# Altium PCB wikiduino-ap8248.PCBDOC (part 3 of 3) (continued)
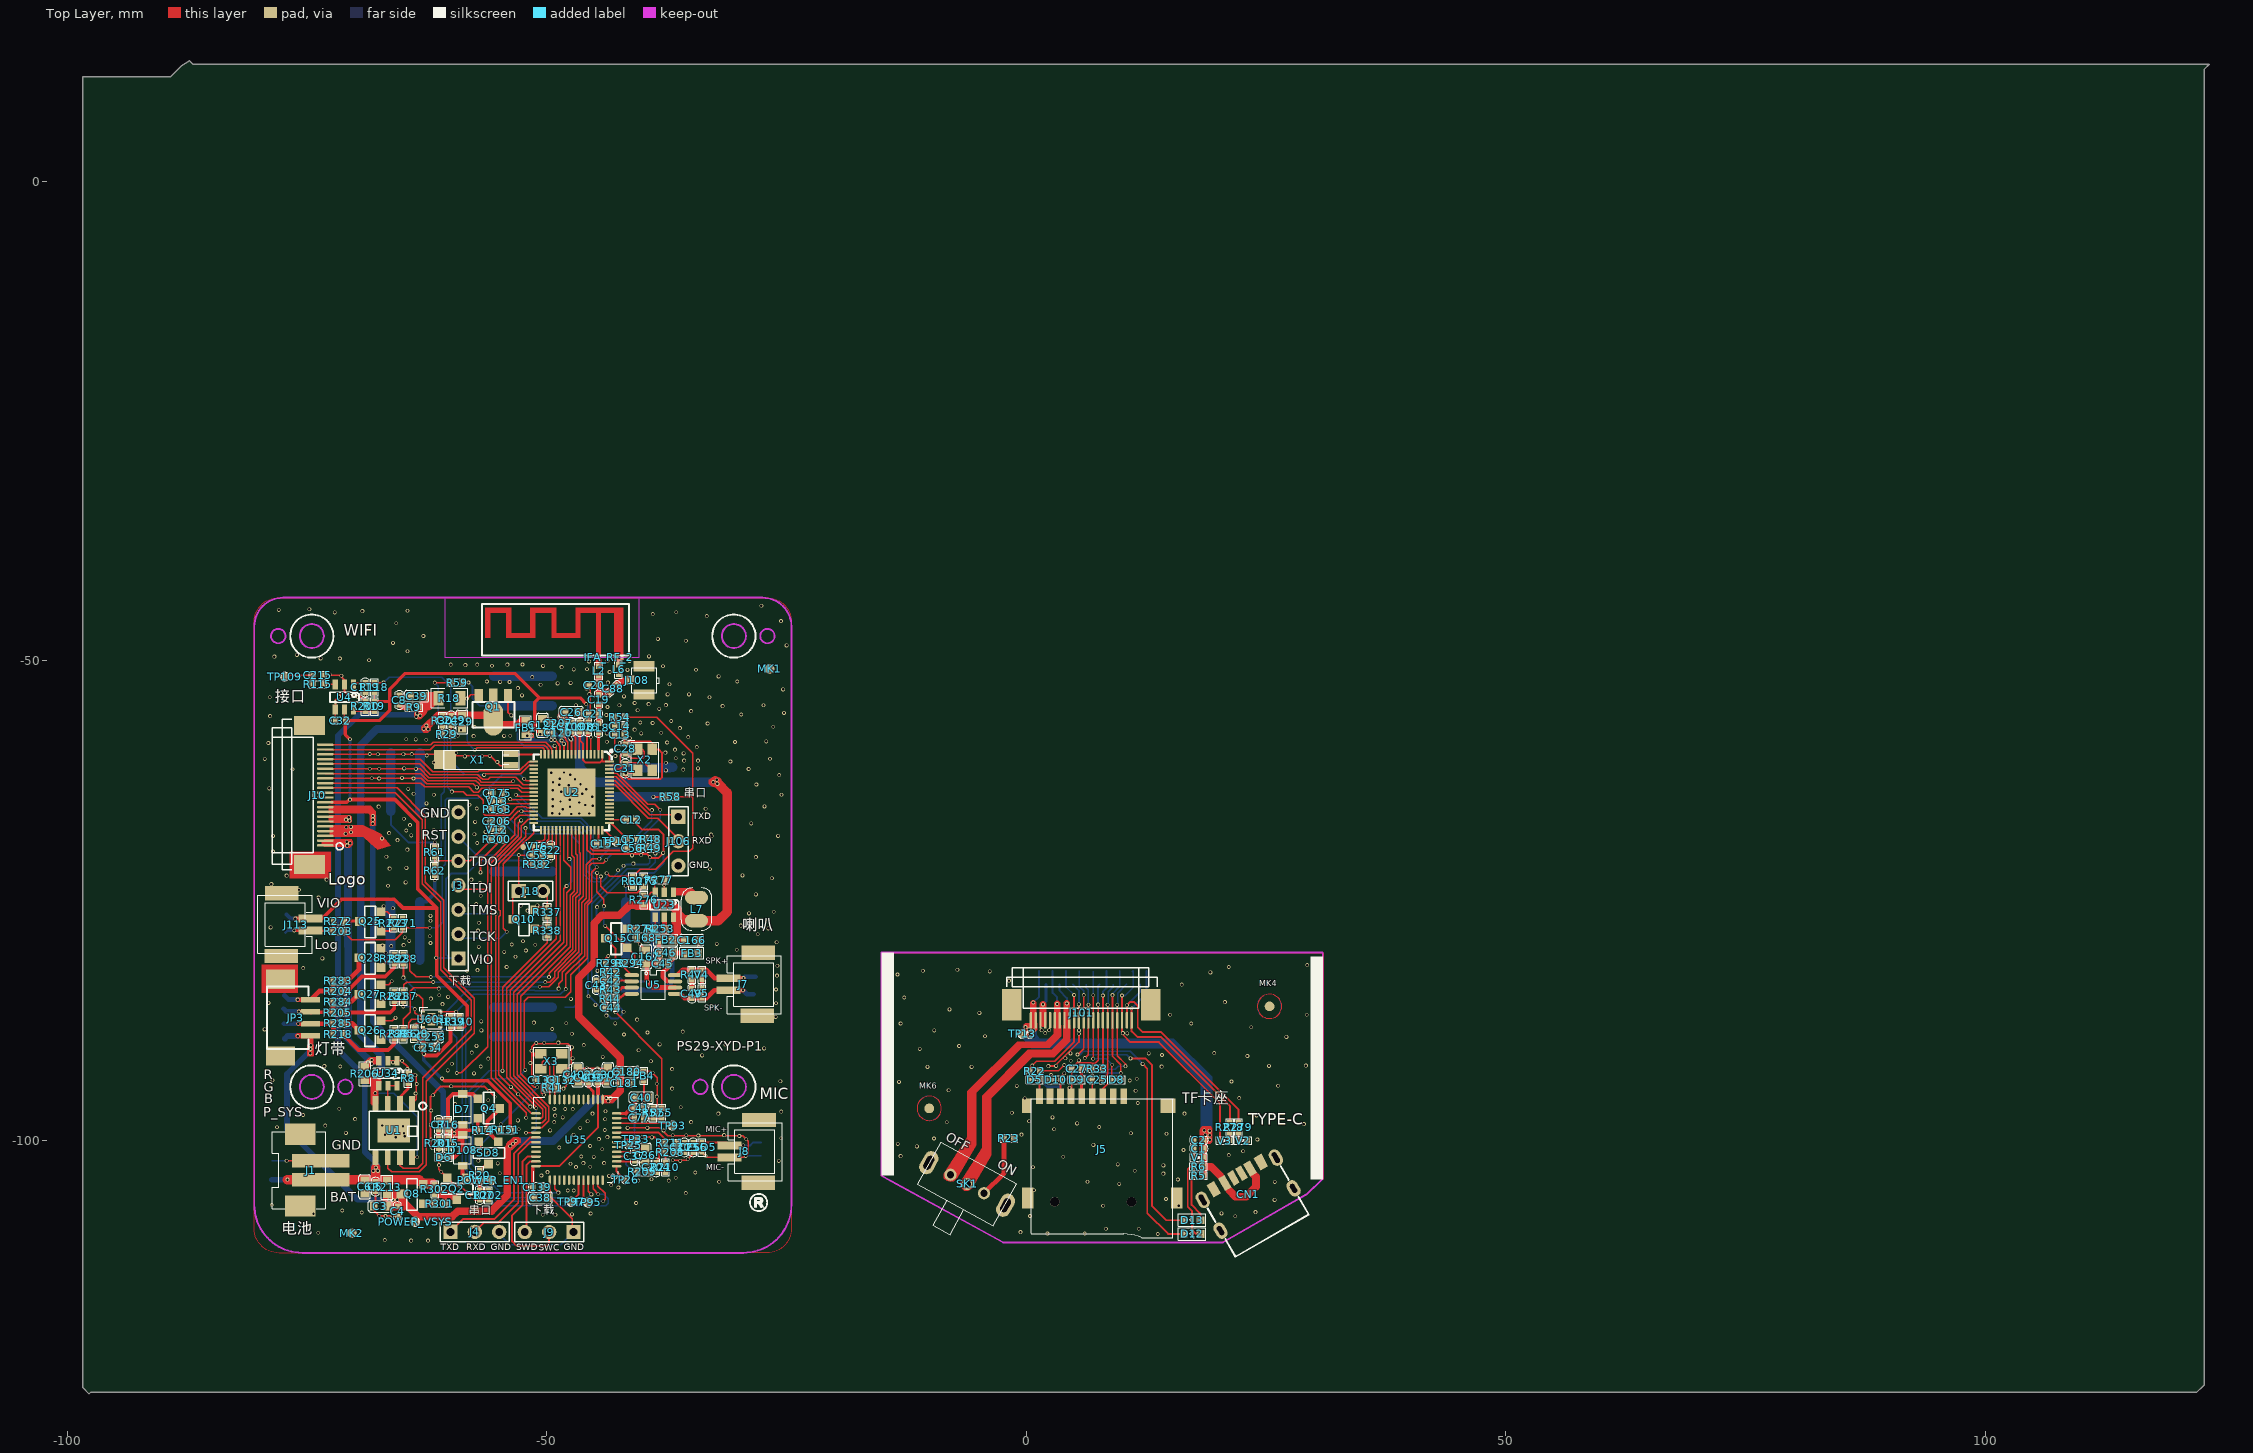
[diagram p0: Top Layer view]
## Nets (pads, with @x,y where several pads share a name; then routed paths per layer and width w, separated by ;. In a path a pad name is that pad's centre, name@x,y a point inside that pad or via, vN(x,y) a via of type N, cw(c..) or ccw(c..) an arc to the next point about the centre after c; other vN are vias at no path point) (continued)
VMID: C36.1 C37.1 U35.4 | length 3
  Top Layer w0.2: U35.4@-42.359,-101.205 -40.835,-101.205 C37.1@-40.725,-101.205 ; C37.1@-40.759,-101.238 C37.1@-40.725,-101.205 ; C36.1@-39.717,-100.861 C36.1@-39.768,-100.861 ; C36.1@-39.717,-100.81 -39.743,-100.835 C36.1@-39.768,-100.861 ; C37.1@-40.725,-101.205 -40.381,-100.861 C36.1@-39.768,-100.861
  Top Layer w0.254: C36.1@-39.819,-100.708 C36.1@-39.768,-100.658
VOICE: C119.1 R118.2 U2.19 U4.1 | length 30.3
  Top Layer w0.15: U4.1@-70.34,-52.289 -70.141,-52.289 C119.1@-68.927,-52.289 R118.2@-67.962,-52.289 -67.155,-52.289 v1@-67.082,-52.362 ; v1@-56.552,-61.942 -56.527,-61.917 -56.407,-61.797 -54.332,-61.797 ; -56.177,-61.797 -54.332,-61.797 ; -53.357,-61.797 -53.282,-61.797 ; U2.19@-51.358,-60.927 -51.836,-60.927 -52.706,-61.797 -53.282,-61.797 ; -54.332,-61.797 -53.282,-61.797
  Bottom Layer w0.15: v1(-67.002,-52.282) -66.442,-51.722 -60.952,-51.722 -60.002,-52.672 -60.002,-60.442 -58.532,-61.912 v1(-56.532,-61.912)
VRAM: U2.35
VSENSE: Q1.3 R18.2 U2.16 | length 15
  Top Layer w0.15: v1(-58.31,-53.961) -57.929,-53.58 Q1.3@-57.095,-53.58 ; v1(-57.497,-59.346) -57.254,-59.102 -50.405,-59.102 -50.247,-59.26 -50.247,-59.738 U2.16@-50.208,-59.777
  Bottom Layer w0.15: v1(-58.31,-53.961) -58.31,-58.533 v1(-57.497,-59.346)
XIN: C28.2 U2.67 X2.1 | length 6.2
  Top Layer w0.15: U2.67@-43.459,-60.928 -42.488,-60.928 -42.352,-60.792 -42.352,-59.932 -42.127,-59.706 C28.2@-41.82,-59.706 -41.688,-59.706 -41.202,-60.192 -40.012,-60.192 -39.822,-60.002 -39.822,-59.492 -40.058,-59.256 X2.1@-40.532,-59.256
XOUT: C31.2 U2.66 X2.3 | length 5.1
  Top Layer w0.15: U2.66@-43.459,-61.328 -42.41,-61.328 C31.2@-41.82,-60.738 -41.714,-60.631 -39.807,-60.631 X2.3@-38.982,-61.456
XTAL32K: U2.17 X1.2 | length 3
  Top Layer w0.2: X1.2@-53.509,-59.955 -53.499,-59.945 -53.332,-59.777 U2.17@-50.608,-59.777
XTAL_IN: C132.2 R41.2 U35.23 X3.1 | length 5
  Top Layer w0.15: U35.23@-49.168,-95.756 -49.168,-94.55 C132.2@-49.168,-93.951 ; C132.2@-48.955,-93.738 -49.247,-93.446 -49.247,-91.806 X3.1@-48.422,-90.981
XTAL_OUT: C133.2 R41.1 U35.24 X3.3 | length 6.1
  Top Layer w0.15: X3.3@-50.622,-92.531 -50.452,-92.362 -50.452,-91.862 -50.332,-91.742 -49.902,-91.742 -49.672,-91.972 -49.672,-93.738 -49.672,-94.052 ; R41.1@-49.92,-94.55 -49.672,-94.303 -49.672,-94.052 ; U35.24@-49.668,-95.756 -49.668,-94.55 -49.668,-94.056 -49.672,-94.052
pads on no net: J5.1 J5.2 J5.8 J5.14 J5.15 J10.25 J10.26 J101.25 J101.26 JP3.0 MK1. MK2. MK3. MK4. MK5. MK6. MK7. U2.3 U2.49 U2.54 U2.55 U2.61 U35.7 U35.17 U35.18 U35.19 U35.32 U35.33 U35.48 U601.6 U601.7 U601.8
copper on no net:
  other v1: -26.092,-85.722

## Polygon pours and split planes (outlines as drawn)
GND1 on Bottom Layer "GND" (hatched 90Degree grid 0.1 track 0.15, remove dead copper, shelved, pour order 8): -15.1,-103.68 -15.06,-103.64 -15.06,-80.451 30.891,-80.451 30.92,-80.48 30.95,-80.51 30.95,-104.05 30.835,-104.05 29.259,-105.626 20.49,-110.651 -2.43,-110.67 -15.1,-103.68
GND on Bottom Layer "GND" (hatched 90Degree grid 0.1 track 0.15, remove dead copper, shelved, pour order 7): -75.502,-111.712 -75.502,-111.762 -77.95,-111.762 cw(c-77.95,-109.222) -80.49,-109.222 -80.49,-106.382 -80.49,-45.962 cw(c-77.95,-45.962) -77.95,-43.422 -77.452,-43.422 -27.042,-43.422 cw(c-27.042,-45.962) -24.502,-45.962 -24.502,-46.842 -24.502,-109.2 cw(c-27.042,-109.2) -27.042,-111.74 -30.102,-111.74 -75.491,-111.74 ccw(c-75.491,-111.762) -75.512,-111.762
GND1 on Top Layer "GND" (hatched 90Degree grid 0.1 track 0.15, remove dead copper, shelved, pour order 6): -15.1,-103.68 -15.06,-103.64 -15.06,-80.451 30.891,-80.451 30.92,-80.48 30.95,-80.51 30.95,-104.05 30.835,-104.05 29.259,-105.626 20.49,-110.651 -2.43,-110.67 -15.1,-103.68
GND on Top Layer "GND" (hatched 90Degree grid 0.1 track 0.15, remove dead copper, shelved, pour order 5): -75.502,-111.712 -75.502,-111.762 -77.95,-111.762 cw(c-77.95,-109.222) -80.49,-109.222 -80.49,-106.382 -80.49,-45.962 cw(c-77.95,-45.962) -77.95,-43.422 -77.452,-43.422 -27.042,-43.422 cw(c-27.042,-45.962) -24.502,-45.962 -24.502,-46.842 -24.502,-109.2 cw(c-27.042,-109.2) -27.042,-111.74 -30.102,-111.74 -75.491,-111.74 ccw(c-75.491,-111.762) -75.512,-111.762
no net on Internal Plane 1 (split plane): -85.054,-127.757 -97.054,-115.757 -97.054,-66.757 -85.054,-54.757 -56.054,-54.757 -56.054,-57.757 -46.054,-57.757 -46.054,-54.757 -37.054,-54.757 -37.054,-59.257 -29.054,-59.257 -27.054,-60.757 -27.054,-75.757 -29.054,-77.257 -41.254,-77.257 -41.254,-113.007 -27.054,-113.007 -27.054,-122.157 -31.754,-124.557 -31.754,-126.757 -49.354,-126.757 -49.354,-124.757 -56.054,-124.757 -56.054,-127.757
no net on Internal Plane 2 (split plane): -85.054,-127.757 -97.054,-115.757 -97.054,-66.757 -85.054,-54.757 -56.054,-54.757 -56.054,-57.757 -46.054,-57.757 -46.054,-54.757 -37.054,-54.757 -37.054,-59.257 -29.054,-59.257 -27.054,-60.757 -27.054,-75.757 -29.054,-77.257 -41.254,-77.257 -41.254,-113.007 -27.054,-113.007 -27.054,-122.157 -31.754,-124.557 -31.754,-126.757 -49.354,-126.757 -49.354,-124.757 -56.054,-124.757 -56.054,-127.757
no net on Internal Plane 3 (split plane): -85.054,-127.757 -97.054,-115.757 -97.054,-66.757 -85.054,-54.757 -56.054,-54.757 -56.054,-57.757 -46.054,-57.757 -46.054,-54.757 -37.054,-54.757 -37.054,-59.257 -29.054,-59.257 -27.054,-60.757 -27.054,-75.757 -29.054,-77.257 -41.254,-77.257 -41.254,-113.007 -27.054,-113.007 -27.054,-122.157 -31.754,-124.557 -31.754,-126.757 -49.354,-126.757 -49.354,-124.757 -56.054,-124.757 -56.054,-127.757
no net on Internal Plane 4 (split plane): -85.054,-127.757 -97.054,-115.757 -97.054,-66.757 -85.054,-54.757 -56.054,-54.757 -56.054,-57.757 -46.054,-57.757 -46.054,-54.757 -37.054,-54.757 -37.054,-59.257 -29.054,-59.257 -27.054,-60.757 -27.054,-75.757 -29.054,-77.257 -41.254,-77.257 -41.254,-113.007 -27.054,-113.007 -27.054,-122.157 -31.754,-124.557 -31.754,-126.757 -49.354,-126.757 -49.354,-124.757 -56.054,-124.757 -56.054,-127.757
no net on Internal Plane 5 (split plane): -85.054,-127.757 -97.054,-115.757 -97.054,-66.757 -85.054,-54.757 -56.054,-54.757 -56.054,-57.757 -46.054,-57.757 -46.054,-54.757 -37.054,-54.757 -37.054,-59.257 -29.054,-59.257 -27.054,-60.757 -27.054,-75.757 -29.054,-77.257 -41.254,-77.257 -41.254,-113.007 -27.054,-113.007 -27.054,-122.157 -31.754,-124.557 -31.754,-126.757 -49.354,-126.757 -49.354,-124.757 -56.054,-124.757 -56.054,-127.757
no net on Internal Plane 6 (split plane): -85.054,-127.757 -97.054,-115.757 -97.054,-66.757 -85.054,-54.757 -56.054,-54.757 -56.054,-57.757 -46.054,-57.757 -46.054,-54.757 -37.054,-54.757 -37.054,-59.257 -29.054,-59.257 -27.054,-60.757 -27.054,-75.757 -29.054,-77.257 -41.254,-77.257 -41.254,-113.007 -27.054,-113.007 -27.054,-122.157 -31.754,-124.557 -31.754,-126.757 -49.354,-126.757 -49.354,-124.757 -56.054,-124.757 -56.054,-127.757
no net on Internal Plane 7 (split plane): -85.054,-127.757 -97.054,-115.757 -97.054,-66.757 -85.054,-54.757 -56.054,-54.757 -56.054,-57.757 -46.054,-57.757 -46.054,-54.757 -37.054,-54.757 -37.054,-59.257 -29.054,-59.257 -27.054,-60.757 -27.054,-75.757 -29.054,-77.257 -41.254,-77.257 -41.254,-113.007 -27.054,-113.007 -27.054,-122.157 -31.754,-124.557 -31.754,-126.757 -49.354,-126.757 -49.354,-124.757 -56.054,-124.757 -56.054,-127.757
no net on Internal Plane 8 (split plane): -85.054,-127.757 -97.054,-115.757 -97.054,-66.757 -85.054,-54.757 -56.054,-54.757 -56.054,-57.757 -46.054,-57.757 -46.054,-54.757 -37.054,-54.757 -37.054,-59.257 -29.054,-59.257 -27.054,-60.757 -27.054,-75.757 -29.054,-77.257 -41.254,-77.257 -41.254,-113.007 -27.054,-113.007 -27.054,-122.157 -31.754,-124.557 -31.754,-126.757 -49.354,-126.757 -49.354,-124.757 -56.054,-124.757 -56.054,-127.757
no net on Internal Plane 9 (split plane): -85.054,-127.757 -97.054,-115.757 -97.054,-66.757 -85.054,-54.757 -56.054,-54.757 -56.054,-57.757 -46.054,-57.757 -46.054,-54.757 -37.054,-54.757 -37.054,-59.257 -29.054,-59.257 -27.054,-60.757 -27.054,-75.757 -29.054,-77.257 -41.254,-77.257 -41.254,-113.007 -27.054,-113.007 -27.054,-122.157 -31.754,-124.557 -31.754,-126.757 -49.354,-126.757 -49.354,-124.757 -56.054,-124.757 -56.054,-127.757
no net on Internal Plane 10 (split plane): -85.054,-127.757 -97.054,-115.757 -97.054,-66.757 -85.054,-54.757 -56.054,-54.757 -56.054,-57.757 -46.054,-57.757 -46.054,-54.757 -37.054,-54.757 -37.054,-59.257 -29.054,-59.257 -27.054,-60.757 -27.054,-75.757 -29.054,-77.257 -41.254,-77.257 -41.254,-113.007 -27.054,-113.007 -27.054,-122.157 -31.754,-124.557 -31.754,-126.757 -49.354,-126.757 -49.354,-124.757 -56.054,-124.757 -56.054,-127.757
no net on Internal Plane 11 (split plane): -85.054,-127.757 -97.054,-115.757 -97.054,-66.757 -85.054,-54.757 -56.054,-54.757 -56.054,-57.757 -46.054,-57.757 -46.054,-54.757 -37.054,-54.757 -37.054,-59.257 -29.054,-59.257 -27.054,-60.757 -27.054,-75.757 -29.054,-77.257 -41.254,-77.257 -41.254,-113.007 -27.054,-113.007 -27.054,-122.157 -31.754,-124.557 -31.754,-126.757 -49.354,-126.757 -49.354,-124.757 -56.054,-124.757 -56.054,-127.757
no net on Internal Plane 12 (split plane): -85.054,-127.757 -97.054,-115.757 -97.054,-66.757 -85.054,-54.757 -56.054,-54.757 -56.054,-57.757 -46.054,-57.757 -46.054,-54.757 -37.054,-54.757 -37.054,-59.257 -29.054,-59.257 -27.054,-60.757 -27.054,-75.757 -29.054,-77.257 -41.254,-77.257 -41.254,-113.007 -27.054,-113.007 -27.054,-122.157 -31.754,-124.557 -31.754,-126.757 -49.354,-126.757 -49.354,-124.757 -56.054,-124.757 -56.054,-127.757
no net on Internal Plane 13 (split plane): -85.054,-127.757 -97.054,-115.757 -97.054,-66.757 -85.054,-54.757 -56.054,-54.757 -56.054,-57.757 -46.054,-57.757 -46.054,-54.757 -37.054,-54.757 -37.054,-59.257 -29.054,-59.257 -27.054,-60.757 -27.054,-75.757 -29.054,-77.257 -41.254,-77.257 -41.254,-113.007 -27.054,-113.007 -27.054,-122.157 -31.754,-124.557 -31.754,-126.757 -49.354,-126.757 -49.354,-124.757 -56.054,-124.757 -56.054,-127.757
no net on Internal Plane 14 (split plane): -85.054,-127.757 -97.054,-115.757 -97.054,-66.757 -85.054,-54.757 -56.054,-54.757 -56.054,-57.757 -46.054,-57.757 -46.054,-54.757 -37.054,-54.757 -37.054,-59.257 -29.054,-59.257 -27.054,-60.757 -27.054,-75.757 -29.054,-77.257 -41.254,-77.257 -41.254,-113.007 -27.054,-113.007 -27.054,-122.157 -31.754,-124.557 -31.754,-126.757 -49.354,-126.757 -49.354,-124.757 -56.054,-124.757 -56.054,-127.757
no net on Internal Plane 15 (split plane): -85.054,-127.757 -97.054,-115.757 -97.054,-66.757 -85.054,-54.757 -56.054,-54.757 -56.054,-57.757 -46.054,-57.757 -46.054,-54.757 -37.054,-54.757 -37.054,-59.257 -29.054,-59.257 -27.054,-60.757 -27.054,-75.757 -29.054,-77.257 -41.254,-77.257 -41.254,-113.007 -27.054,-113.007 -27.054,-122.157 -31.754,-124.557 -31.754,-126.757 -49.354,-126.757 -49.354,-124.757 -56.054,-124.757 -56.054,-127.757
no net on Internal Plane 16 (split plane): -85.054,-127.757 -97.054,-115.757 -97.054,-66.757 -85.054,-54.757 -56.054,-54.757 -56.054,-57.757 -46.054,-57.757 -46.054,-54.757 -37.054,-54.757 -37.054,-59.257 -29.054,-59.257 -27.054,-60.757 -27.054,-75.757 -29.054,-77.257 -41.254,-77.257 -41.254,-113.007 -27.054,-113.007 -27.054,-122.157 -31.754,-124.557 -31.754,-126.757 -49.354,-126.757 -49.354,-124.757 -56.054,-124.757 -56.054,-127.757

## Keep-outs
Keep-Out Layer:
  lines w0.2: 1.402,-110.65 -2.438,-110.65 -14.098,-104.246 -15.098,-103.697 -15.098,-80.45 -14.098,-80.45 29.902,-80.45 30.902,-80.45 30.902,-104.036 29.902,-105.004 ; 12.4,-110.651 20.508,-110.651 20.777,-110.495 ; 12.402,-110.65 20.51,-110.65 20.779,-110.495 ; 12.424,-110.651 -2.441,-110.651 -14.1,-104.247 -15.1,-103.697 -15.1,-80.451 -14.1,-80.451 29.9,-80.451 30.9,-80.451 30.9,-104.037 29.259,-105.626 ; 20.784,-110.488 28.531,-106.026 ; 28.524,-106.034 29.189,-105.651 ; 28.526,-106.033 29.191,-105.65 ; -80.49,-106.74 ccw(c-75.49,-106.74) -75.49,-111.74 ; -80.49,-106.74 ccw(c-75.49,-106.74) -75.49,-111.74 ; -80.49,-106.74 -80.49,-46.44 ; -80.49,-106.74 -80.49,-46.44 ; -80.49,-46.44 cw(c-77.49,-46.44) -77.49,-43.44 ; -80.49,-46.44 cw(c-77.49,-46.44) -77.49,-43.44 ; -78.74,-47.44 ccw(c-77.99,-47.44) -77.24,-47.44 ; -78.74,-47.44 cw(c-77.99,-47.44) -77.24,-47.44 ; -78.74,-47.44 ccw(c-77.99,-47.44) -77.24,-47.44 ; -78.74,-47.44 cw(c-77.99,-47.44) -77.24,-47.44 ; -77.49,-43.44 -27.49,-43.44 ; -77.49,-43.44 -27.49,-43.44 ; -75.74,-94.44 ccw(c-74.49,-94.44) -73.24,-94.44 ; -75.74,-94.44 cw(c-74.49,-94.44) -73.24,-94.44 ; -75.74,-94.44 ccw(c-74.49,-94.44) -73.24,-94.44 ; -75.74,-94.44 cw(c-74.49,-94.44) -73.24,-94.44 ; -75.74,-94.44 ccw(c-74.49,-94.44) -73.24,-94.44 ; -75.74,-94.44 cw(c-74.49,-94.44) -73.24,-94.44 ; -75.74,-94.44 ccw(c-74.49,-94.44) -73.24,-94.44 ; -75.74,-94.44 cw(c-74.49,-94.44) -73.24,-94.44 ; -75.74,-47.44 ccw(c-74.49,-47.44) -73.24,-47.44 ; -75.74,-47.44 cw(c-74.49,-47.44) -73.24,-47.44 ; -75.74,-47.44 ccw(c-74.49,-47.44) -73.24,-47.44 ; -75.74,-47.44 cw(c-74.49,-47.44) -73.24,-47.44 ; -75.74,-47.44 ccw(c-74.49,-47.44) -73.24,-47.44 ; -75.74,-47.44 cw(c-74.49,-47.44) -73.24,-47.44 ; -75.74,-47.44 ccw(c-74.49,-47.44) -73.24,-47.44 ; -75.74,-47.44 cw(c-74.49,-47.44) -73.24,-47.44 ; -75.49,-111.74 -29.49,-111.74 ; -75.49,-111.74 -29.49,-111.74 ; -71.74,-94.44 ccw(c-70.99,-94.44) -70.24,-94.44 ; -71.74,-94.44 cw(c-70.99,-94.44) -70.24,-94.44 ; -71.74,-94.44 ccw(c-70.99,-94.44) -70.24,-94.44 ; -71.74,-94.44 cw(c-70.99,-94.44) -70.24,-94.44 ; -71.74,-94.44 ccw(c-70.99,-94.44) -70.24,-94.44 ; -71.74,-94.44 cw(c-70.99,-94.44) -70.24,-94.44 ; -71.74,-94.44 ccw(c-70.99,-94.44) -70.24,-94.44 ; -71.74,-94.44 cw(c-70.99,-94.44) -70.24,-94.44 ; -34.74,-94.44 ccw(c-33.99,-94.44) -33.24,-94.44 ; -34.74,-94.44 cw(c-33.99,-94.44) -33.24,-94.44 ; -34.74,-94.44 ccw(c-33.99,-94.44) -33.24,-94.44 ; -34.74,-94.44 cw(c-33.99,-94.44) -33.24,-94.44 ; -34.74,-94.44 ccw(c-33.99,-94.44) -33.24,-94.44 ; -34.74,-94.44 cw(c-33.99,-94.44) -33.24,-94.44 ; -34.74,-94.44 ccw(c-33.99,-94.44) -33.24,-94.44 ; -34.74,-94.44 cw(c-33.99,-94.44) -33.24,-94.44 ; -31.74,-94.44 ccw(c-30.49,-94.44) -29.24,-94.44 ; -31.74,-94.44 cw(c-30.49,-94.44) -29.24,-94.44 ; -31.74,-94.44 ccw(c-30.49,-94.44) -29.24,-94.44 ; -31.74,-94.44 cw(c-30.49,-94.44) -29.24,-94.44 ; -31.74,-94.44 ccw(c-30.49,-94.44) -29.24,-94.44 ; -31.74,-94.44 cw(c-30.49,-94.44) -29.24,-94.44 ; -31.74,-94.44 ccw(c-30.49,-94.44) -29.24,-94.44 ; -31.74,-94.44 cw(c-30.49,-94.44) -29.24,-94.44 ; -31.74,-47.44 ccw(c-30.49,-47.44) -29.24,-47.44 ; -31.74,-47.44 cw(c-30.49,-47.44) -29.24,-47.44 ; -31.74,-47.44 ccw(c-30.49,-47.44) -29.24,-47.44 ; -31.74,-47.44 cw(c-30.49,-47.44) -29.24,-47.44 ; -31.74,-47.44 ccw(c-30.49,-47.44) -29.24,-47.44 ; -31.74,-47.44 cw(c-30.49,-47.44) -29.24,-47.44 ; -31.74,-47.44 ccw(c-30.49,-47.44) -29.24,-47.44 ; -31.74,-47.44 cw(c-30.49,-47.44) -29.24,-47.44 ; -29.49,-111.74 ccw(c-29.49,-106.74) -24.49,-106.74 ; -29.49,-111.74 ccw(c-29.49,-106.74) -24.49,-106.74 ; -27.74,-47.44 ccw(c-26.99,-47.44) -26.24,-47.44 ; -27.74,-47.44 cw(c-26.99,-47.44) -26.24,-47.44 ; -27.74,-47.44 ccw(c-26.99,-47.44) -26.24,-47.44 ; -27.74,-47.44 cw(c-26.99,-47.44) -26.24,-47.44 ; -27.49,-43.44 cw(c-27.49,-46.44) -24.49,-46.44 ; -27.49,-43.44 cw(c-27.49,-46.44) -24.49,-46.44 ; -24.49,-106.74 -24.49,-46.44 ; -24.49,-106.74 -24.49,-46.44 ; -24.49,-106.74 -24.49,-46.44 ; -24.49,-106.74 -24.49,-46.44 ; -75.49,-43.44 -29.49,-43.44 -75.49,-43.44

## Other copper
Top Layer:
  rectangle net NetQ2_3: -60.882,-106.492 -60.412,-105.802
  rectangle net POWER_VSYS: -67.092,-107.342 -64.742,-105.152
  rectangle net NetFB1_2: -52.265,-58.076 -51.35,-57.568
  rectangle net POWER_2: -60.582,-100.132 -58.812,-98.622
  rectangle net USB-VBUS: -55.952,-55.232 -55.202,-54.002
  rectangle net GND: -51.572,-91.29 -50.822,-90.84
  rectangle net GND: -79.725,-84.67 -75.925,-81.67
  rectangle net GND: -76.82,-72.724 -72.47,-69.924
  region net USB-5V: 18.096,-100.194 18.096,-98.924 18.197,-98.721 18.35,-98.568 19.213,-98.568 19.366,-98.771 19.366,-100.143 19.162,-100.346 18.998,-100.385 18.179,-100.385
  region net USB-5V: 1.128,-87.799 1.128,-88.51 0.417,-89.221 -0.142,-89.221 -0.294,-89.069 -0.294,-87.9 -0.091,-87.799
  region net POWER_KEY1: 2.856,-88.916 2.856,-88.002 3.618,-88.002 3.618,-89.17 2.449,-90.339 -0.497,-90.339 -5.222,-95.063 -5.222,-100.549 -7.203,-103.902 -7.558,-104.258 -7.914,-104.309 -8.32,-104.207 -8.625,-103.953 -8.625,-103.496 -6.136,-99.686 -6.136,-94.911 -0.954,-89.729 2.043,-89.729
  region net POWER_KEY2: 3.872,-89.373 3.872,-88.002 4.583,-88.002 4.583,-89.678 2.906,-91.355 0.62,-91.355 -3.647,-95.622 -3.647,-101.565 -5.679,-105.071 -6.034,-105.274 -6.492,-105.274 -6.898,-104.867 -6.898,-104.359 -4.612,-100.803 -4.612,-95.368 0.163,-90.593 2.652,-90.593
  region net USB-VBUS_1: -73.202,-69.392 -71.092,-69.392 -70.952,-69.522 -70.552,-69.522 -70.242,-69.172 -70.242,-68.822 -70.352,-68.642 -73.202,-68.642
  region net POWER_VSYS: -48.602,-56.462 -48.872,-56.022 -48.872,-55.642 -48.622,-55.392 -47.882,-55.392 -47.742,-55.532 -47.742,-55.832 -48.022,-56.272 -48.022,-56.462
  region net POWER_1: -72.722,-66.202 -72.672,-66.142 -70.482,-66.142 -70.352,-66.272 -70.352,-66.812 -70.442,-66.892 -72.622,-66.892 -72.732,-66.762 -72.722,-66.752
  region net USB-VBUS: -62.722,-56.542 -62.872,-56.692 -63.062,-56.882 -63.062,-57.202 -62.832,-57.502 -62.392,-57.512 -62.082,-57.242 -62.082,-56.272 -62.332,-56.152 -62.462,-56.282
  region net USB-VBUS: -67.232,-94.002 -67.232,-93.602 -67.042,-93.412 -67.042,-93.092 -67.272,-92.792 -67.712,-92.782 -68.022,-93.052 -68.022,-94.022 -67.822,-94.122 -67.292,-94.122
  region net POWER_2: -72.712,-65.892 -70.602,-65.892 -68.622,-65.892 -68.452,-66.072 -68.452,-67.142 -68.372,-67.212 -67.862,-67.212 -67.812,-67.142 -67.812,-65.722 -68.362,-65.142 -69.862,-65.142 -72.712,-65.142
  region net POWER_VSYS: -74.952,-91.202 -74.952,-90.712 -74.952,-90.422 -74.952,-90.132 -74.802,-89.952 -74.392,-89.952 -74.292,-90.112 -74.292,-91.202 -74.352,-91.252 -74.902,-91.252
  region net POWER_VSYS: -53.712,-99.902 -53.487,-99.682 -53.197,-99.682 -52.907,-99.682 -52.727,-99.832 -52.727,-100.242 -52.887,-100.342 -53.312,-100.712 -53.642,-101.032 -54.072,-100.872 -54.222,-100.422 -54.232,-100.352 -54.032,-100.132
  region net POWER_VSYS: -43.122,-96.122 -43.532,-96.162 -43.912,-96.152 -44.132,-95.972 -44.312,-95.822 -44.312,-95.412 -44.152,-95.312 -43.062,-95.312 -43.012,-95.372 -43.012,-95.922
  region net POWER_VSYS: -31.927,-63.142 -32.337,-63.182 -32.717,-63.172 -32.937,-62.992 -33.117,-62.842 -33.117,-62.432 -32.797,-62.202 -31.977,-62.192 -31.867,-62.332 -31.817,-62.392 -31.817,-62.942
  region net GND: -72.617,-67.202 -72.567,-67.142 -69.102,-67.142 -67.322,-68.032 -66.242,-69.312 -67.602,-69.742 -68.332,-69.072 -69.112,-68.382 -72.472,-68.382 -72.622,-68.322 -72.617,-67.752
Bottom Layer:
  rectangle net GND: -79.57,-83.47 -77.725,-82.324
  rectangle net GND: -76.325,-71.924 -72.42,-69.92
  region net USB-5V: -0.396,-89.424 0.519,-90.389 14.641,-90.389 18.197,-93.945 18.197,-99.381 18.705,-100.143 19.264,-100.245 19.366,-100.143 19.366,-93.387 15.352,-89.424 1.382,-89.424 1.078,-89.018 1.078,-88.154 0.925,-87.9 -0.192,-87.9 -0.396,-88.103
  region net USB-VBUS_1: -69.002,-91.612 -71.052,-89.562 -71.092,-70.282 -71.092,-68.842 -70.952,-68.642 -70.382,-68.642 -70.222,-68.832 -70.192,-69.022 -70.322,-69.402 -70.322,-89.492 -68.222,-91.412 -67.802,-91.682 -67.802,-92.022 -68.082,-92.242 -68.432,-92.322 -68.952,-91.942
  region net POWER_VSYS: -48.872,-55.742 -48.872,-57.182 -47.592,-58.462 -47.292,-58.462 -47.192,-58.362 -47.192,-58.162 -47.902,-57.452 -47.902,-55.912 -48.042,-55.612 -48.192,-55.462 -48.392,-55.462 -48.572,-55.642 -48.712,-55.642
  region net VIO: -48.76,-58.482 -48.353,-58.889 -48.099,-58.889 -47.998,-58.787 -47.998,-58.482 -49.115,-57.365 -50.792,-57.365 -50.944,-57.517 -50.944,-57.822 -50.842,-57.924 -50.131,-57.924 -49.877,-57.67 -49.166,-57.67 -48.709,-58.127
  region net NetFB1_2: -52.316,-58.33 -52.112,-58.533 -49.064,-58.533 -48.963,-58.432 -48.963,-58.178 -49.064,-58.025 -49.623,-58.025 -49.776,-58.178 -51.147,-58.178 -51.452,-57.568 -52.214,-57.568 -52.316,-57.67
  region net POWER_1: -70.482,-66.142 -70.352,-66.272 -70.352,-66.802 -70.442,-66.892 -71.462,-66.892 -71.462,-66.142
  region net USB-VBUS: -63.322,-56.732 -62.922,-56.732 -62.732,-56.542 -62.412,-56.542 -62.112,-56.772 -62.102,-57.212 -62.372,-57.522 -63.342,-57.522 -63.442,-57.322 -63.442,-56.792
  region net USB-VBUS: -67.232,-94.002 -67.232,-93.602 -67.042,-93.412 -67.042,-93.092 -67.272,-92.792 -67.712,-92.782 -68.022,-93.052 -68.022,-94.022 -67.822,-94.122 -67.292,-94.122
  region net POWER_2: -68.452,-67.192 -68.452,-66.702 -68.452,-66.412 -68.452,-66.122 -68.302,-65.942 -67.892,-65.942 -67.792,-66.102 -67.792,-67.192 -67.852,-67.242 -68.402,-67.242
  region net POWER_2: -60.332,-99.832 -60.332,-99.342 -60.332,-99.052 -60.332,-98.762 -60.182,-98.582 -59.772,-98.582 -59.432,-98.572 -59.342,-98.732 -59.342,-99.882 -59.492,-100.032 -59.802,-100.042 -60.282,-99.882
  region net POWER_VSYS: -65.442,-106.532 -65.932,-106.532 -66.222,-106.532 -66.512,-106.532 -66.692,-106.382 -66.692,-105.972 -66.532,-105.872 -65.442,-105.872 -65.392,-105.932 -65.392,-106.482
  region net POWER_1: -68.332,-103.632 -68.332,-103.142 -68.332,-102.852 -68.332,-102.562 -68.182,-102.382 -67.772,-102.382 -67.462,-102.382 -67.352,-102.602 -67.352,-103.582 -67.402,-103.682 -67.728,-103.682 -68.282,-103.682
  region net POWER_VSYS: -74.952,-91.122 -74.952,-90.632 -74.952,-90.342 -74.952,-90.052 -74.802,-89.872 -74.392,-89.872 -74.292,-90.032 -74.292,-91.122 -74.352,-91.172 -74.902,-91.172
  region net POWER_VSYS: -53.712,-99.902 -53.487,-99.682 -53.197,-99.682 -52.907,-99.682 -52.727,-99.832 -52.727,-100.242 -52.887,-100.342 -53.312,-100.712 -53.642,-101.032 -54.072,-100.872 -54.222,-100.422 -54.232,-100.352 -54.032,-100.132
  region net POWER_VSYS: -44.092,-95.332 -43.682,-95.292 -43.302,-95.302 -43.082,-95.482 -42.902,-95.632 -42.902,-96.042 -43.062,-96.142 -44.152,-96.142 -44.202,-96.082 -44.202,-95.532
  region net POWER_VSYS: -32.912,-62.252 -32.502,-62.212 -32.122,-62.222 -31.902,-62.402 -31.722,-62.552 -31.722,-62.962 -31.882,-63.062 -32.972,-63.062 -33.022,-63.002 -33.022,-62.452

## Silkscreen, mask and mechanical layers (free items; w line width, h text height)
Top Overlay:
  circle w0.2: c-27.907,-106.495 r0.9
  circle w0.2: c-74.49,-94.44 r2.25
  circle w0.2: c-30.49,-94.44 r2.25
  circle w0.2: c-30.49,-47.44 r2.25
  circle w0.2: c-74.49,-47.44 r2.25
  rectangle: 29.606,-104.093 30.918,-80.856
  rectangle: -15.098,-103.687 -13.786,-80.45
  lines w0.2: -28.296,-106.989 -28.296,-106.004 -27.742,-106.004 cw(c-27.777,-106.273) -27.716,-106.537 -27.751,-106.537 -27.751,-106.546 cw(c-27.807,-106.688) -27.689,-106.591 cw(c-28.33,-107.205) -27.656,-106.628 cw(c-28.121,-107.027) -27.609,-106.691 -27.43,-106.971 ; -28.153,-106.989 -28.153,-106.555 -28.019,-106.555 cw(c-28.042,-106.983) -27.92,-106.572 cw(c-28.045,-106.806) -27.875,-106.603 cw(c-28.205,-106.985) -27.823,-106.655 -27.609,-106.989 ; -28.153,-106.429 -28.153,-106.122 -27.805,-106.122 -27.805,-106.131 cw(c-27.807,-106.275) -27.805,-106.42 -27.805,-106.429 -28.153,-106.429
  text "WIFI" at -71.162,-47.814 h2
  text "接口" at -78.372,-54.692 h2
  text "串口" at -35.692,-64.512 h1.5
  text "GND" at -63.182,-66.362 h1
  text "TXD" at -34.752,-66.552 h0.7
  text "RST" at -63.052,-68.672 h1
  text "RXD" at -34.832,-69.082 h0.7
  text "TDO" at -58.042,-71.432 h1
  text "GND" at -35.152,-71.642 h0.7
  text "Logo" at -72.762,-73.762 h2
  text "TDI" at -57.952,-74.182 h1
  text "VIO" at -73.932,-75.782 h1
  text "TMS" at -57.982,-76.512 h1
  text "喇叭" at -29.612,-78.522 h2
  text "TCK" at -57.962,-79.242 h1
  text "Log" at -74.202,-80.102 h1
  text "SPK+" at -33.442,-81.602 h0.6
  text "VIO" at -57.972,-81.652 h1
  text "下载" at -60.242,-84.102 h1.5
  text "SPK-" at -33.582,-86.492 h0.6
  text "PS29-XYD-P1" at -36.452,-90.682 h1
  text "灯带" at -74.172,-91.462 h2
  text "R" at -79.512,-93.632 h1
  text "G" at -79.502,-94.932 h1
  text "MIC" at -27.782,-96.152 h2
  text "B" at -79.452,-96.172 h1
  text "TF卡座" at 16.25,-96.541 h2
  text "P_SYS" at -79.542,-97.572 h1
  text "TYPE-C" at 23.145,-98.81 h2
  text "MIC+" at -33.442,-99.152 h0.6
  text "OFF" at -8.48,-99.931 h1 r331
  text "GND" at -72.432,-101.012 h1
  text "ON" at -3.11,-102.744 h1 r331
  text "MIC-" at -33.392,-103.112 h0.6
  text "BAT" at -72.562,-106.442 h1
  text "下载" at -51.542,-107.962 h1.5
  text "串口" at -58.132,-108.042 h1.5
  text "电池" at -77.614,-110.146 h2
  text "TXD" at -61.052,-111.452 h0.7
  text "RXD" at -58.392,-111.452 h0.7
  text "GND" at -55.812,-111.482 h0.7
  text "SWD" at -53.192,-111.462 h0.7
  text "GND" at -48.202,-111.472 h0.7
  text "SWC" at -50.812,-111.502 h0.7
Bottom Overlay:
  rectangle: 29.606,-104.093 30.918,-80.856
  rectangle: -15.098,-103.687 -13.786,-80.45
  text "微聊" at -50.25,-58.95 h2
  text "GND" at -55.922,-66.112 h0.8
  text "TXD" at -32.602,-66.772 h0.8
  text "上一首/V-" at -37.572,-67.622 h2
  text "RST" at -56.242,-67.922 h0.8
  text "RXD" at -32.532,-68.972 h0.8
  text "下一首/+" at -60.712,-69.472 h2
  text "TDO" at -60.052,-71.322 h0.8
  text "GND" at -32.292,-71.802 h0.8
  text "TDI" at -60.152,-73.952 h0.8
  text "RST" at -54.242,-74.422 h0.8
  text "GND" at -47.162,-74.562 h0.8
  text "TMS" at -60.162,-76.512 h0.8
  text "VIO" at -73.472,-77.472 h0.8
  text "播放/暂停" at -47.71,-77.83 h2
  text "log_led" at -70.982,-78.622 h0.8
  text "TCK" at -60.132,-78.992 h0.8
  text "VIO" at -60.132,-81.402 h0.8
  text "SPK+" at -27.512,-81.682 h0.8
  text "目录" at -63.27,-84.71 h2
  text "收藏" at -38.062,-85.068 h2
  text "Red" at -72.742,-85.562 h0.8
  text "SPK-" at -27.572,-86.682 h0.8
  text "Green" at -71.842,-86.872 h0.8
  text "配网" at -63.03,-87.09 h2
  text "Blue" at -72.232,-88.242 h0.8
  text "P_SYS" at -71.632,-89.662 h0.8
  text "灯开关" at -49.42,-94.84 h2
  text "MIC+" at -26.562,-99.082 h0.8
  text "GND" at -76.212,-100.982 h0.8
  text "MIC-" at -26.632,-103.652 h0.8
  text "BAT" at -75.862,-106.022 h0.8
Top Solder:
  rectangle: -53.162,-111.719 -35.482,-105.959
  rectangle: -59.922,-49.852 -40.682,-43.402
Bottom Solder:
  rectangle: -53.152,-111.719 -35.472,-105.949
  rectangle: -59.852,-49.752 -40.612,-43.302